# Altium PCB Mirny.PcbDoc (part 3 of 8) (continued)
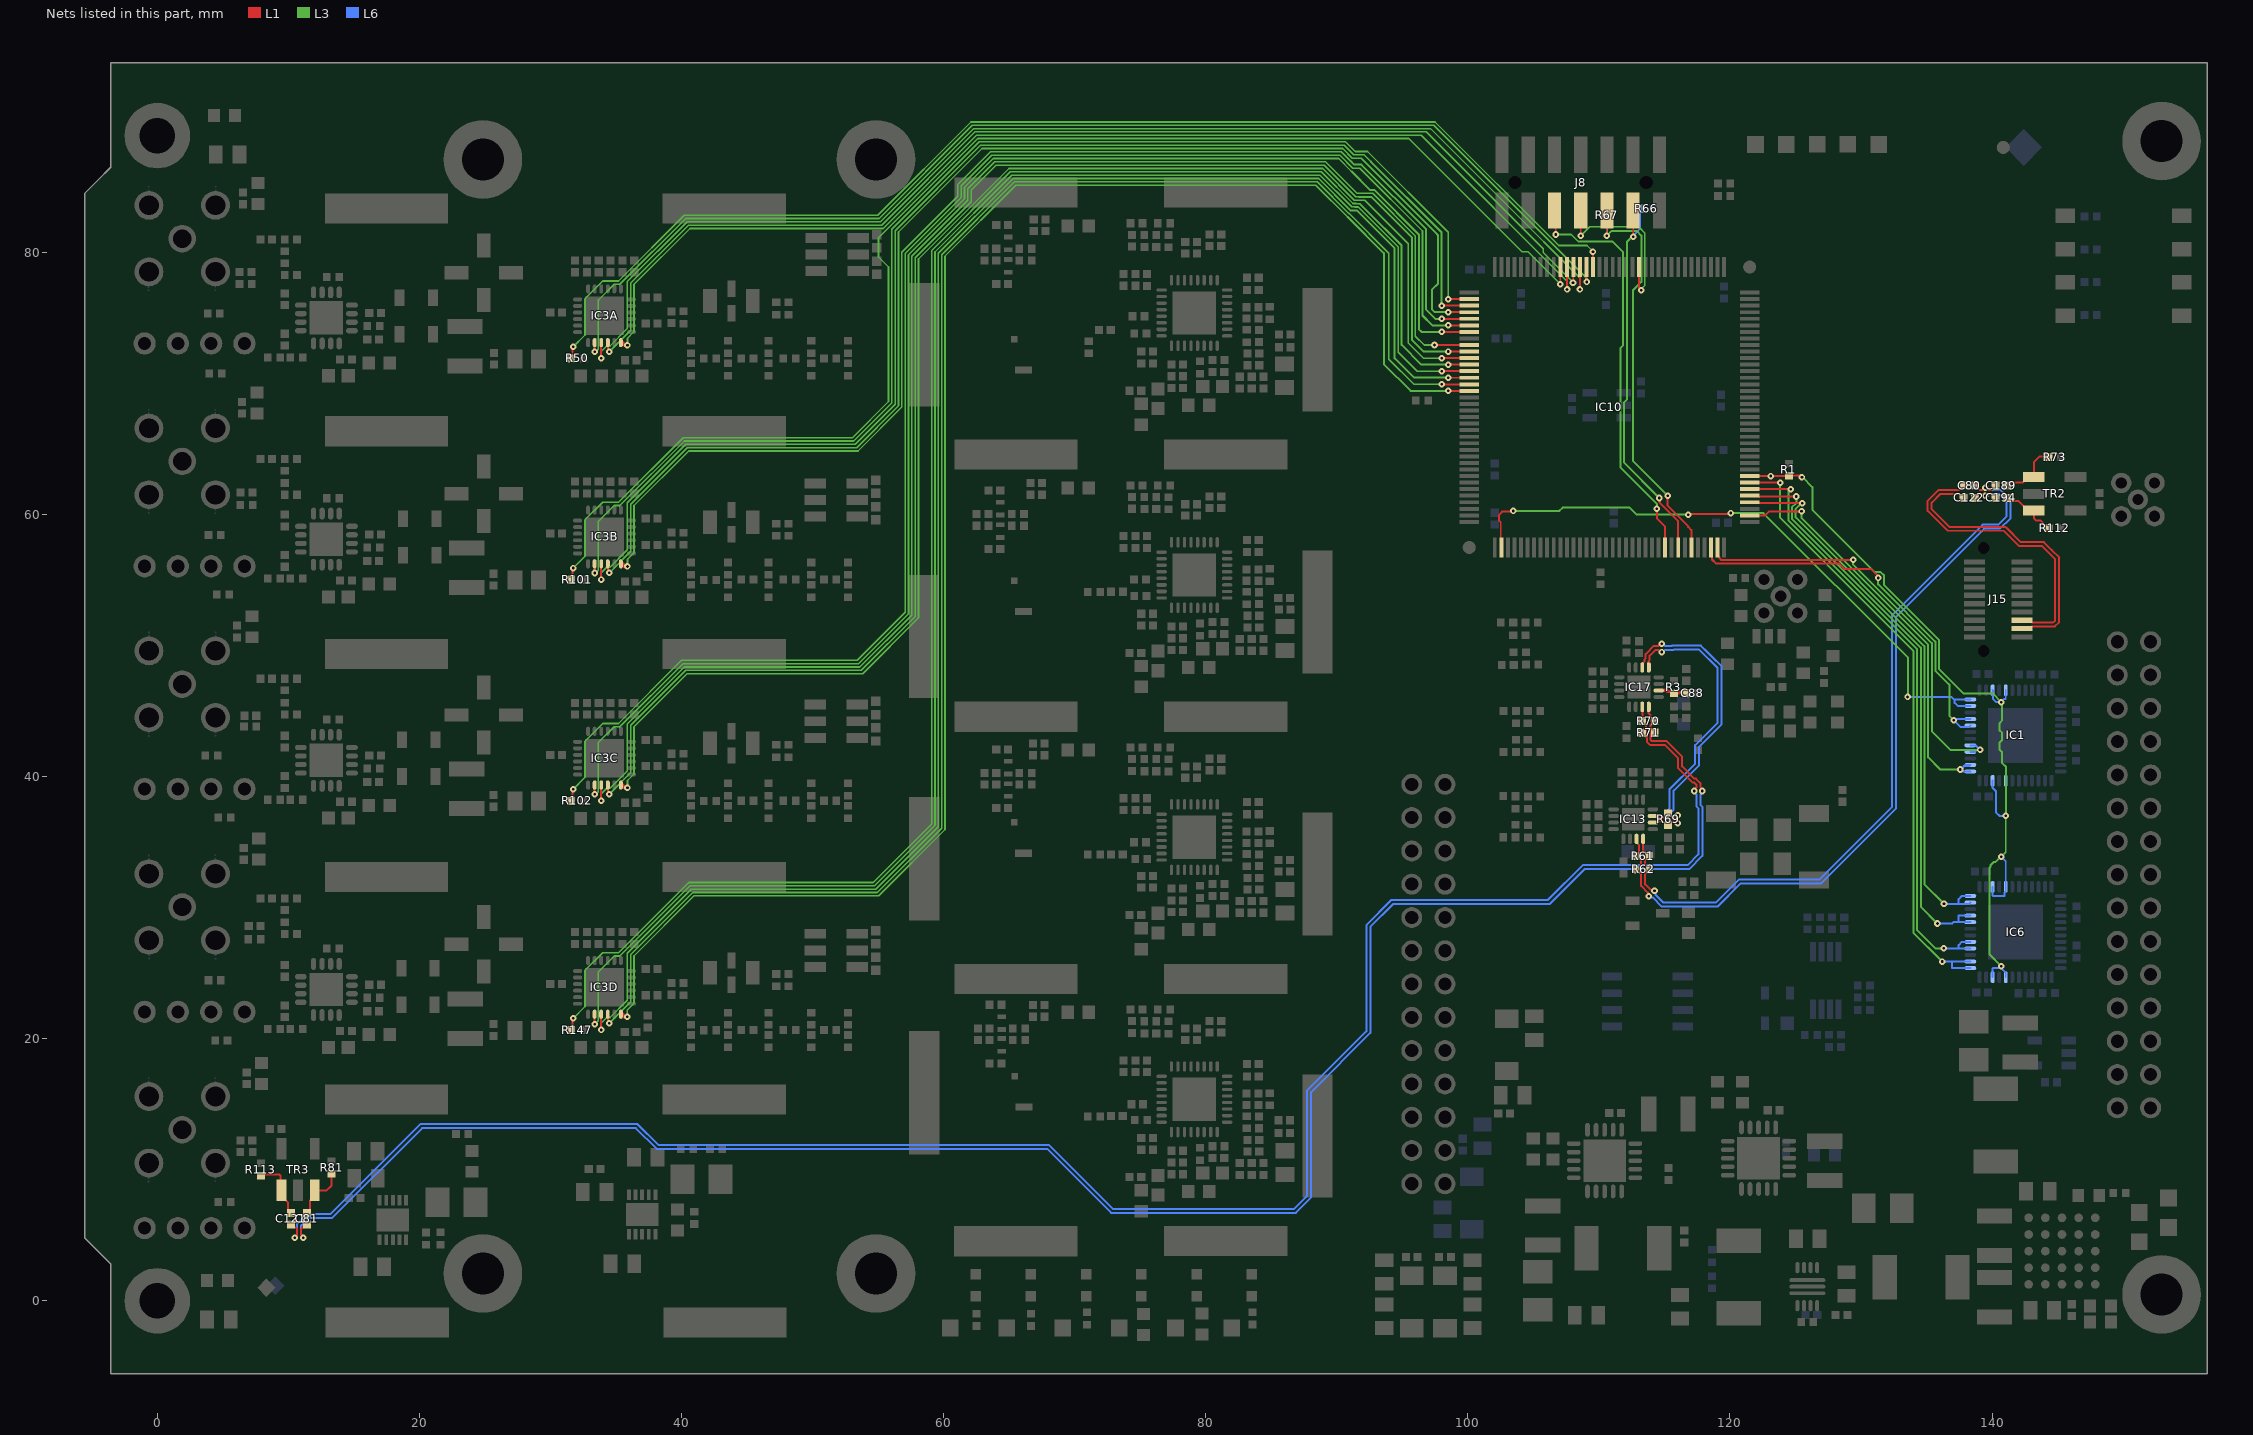
[diagram p7: the nets of this part, all layers, seen from the top]
## Part data (continued)
R134 R135: library part R0402_47K_1%_0.0625W_100PPM, "Resistor - 1%", Case=0402, Manufacturer=GENERIC, Manufacturer1 ComponentHeight=0.4mm, Manufacturer1 Example="YAGEO PHYCOMP", Manufacturer1 Part Number=RC0402FR-0747KL, Power=0.0625W, Tolerance=±1%, Author="CERN DEM JLC", Component Type=Standard, CreateDate=03.12.2007, HelpURL=\\cern.ch\dfs\Applications\Altium\Datasheets\R0402_Phycomp_RC0402.pdf, LatestRevisionDate=17.10.2012, Manufacturer Part Number=R0402_47K_1%_0.0625W_100PPM, Mounted=Yes, Part Description="General Purpose Thick Film Chip Resistor", Part Number=R0402_47K_1%_0.0625W_100PPM, Pin Count=2, PressFit=No, Sense=No, SMD=Yes, Socket=No, Status="Not Recommended", TC=±100ppm/°C
R136: library part R0402_5K6_1%_0.0625W_100PPM, "Resistor - 1%", Case=0402, Manufacturer=GENERIC, Manufacturer1 ComponentHeight=0.4mm, Manufacturer1 Example="YAGEO PHYCOMP", Manufacturer1 Part Number=232270675602L, Power=0.0625W, Tolerance=±1%, Author="CERN DEM JLC", Component Type=Standard, CreateDate=03.12.2007, HelpURL=\\cern.ch\dfs\Applications\Altium\Datasheets\R0402_Phycomp_RC0402.pdf, LatestRevisionDate=17.10.2012, Manufacturer Part Number=R0402_5K6_1%_0.0625W_100PPM, Mounted=Yes, Part Description="General Purpose Thick Film Chip Resistor", Part Number=R0402_5K6_1%_0.0625W_100PPM, Pin Count=2, PressFit=No, Sense=No, SMD=Yes, Socket=No, Status="Not Recommended", TC=±100ppm/°C
R139: library part R0603_2K2_1%_0.1W_100PPM, "Resistor - 1%", Case=0603, Manufacturer=GENERIC, Manufacturer1 ComponentHeight=0.55mm, Manufacturer1 Example="NIC COMPONENT", Manufacturer1 Part Number=NRC06F2201TRF, Power=0.1W, Tolerance=±1%, Author="CERN DEM JLC", Component Type=Standard, CreateDate=03.12.2007, HelpURL=\\cern.ch\dfs\Applications\Altium\Datasheets\R0603_NIC_NRC.pdf, LatestRevisionDate=13.03.2008, Manufacturer Part Number=R0603_2K2_1%_0.1W_100PPM, Mounted=Yes, Part Description="General Purpose Thick Film Chip Resistor", Part Number=R0603_2K2_1%_0.1W_100PPM, Pin Count=2, Sense=No, SMD=Yes, Socket=No, Status=Preferred, TC=±100ppm/°C
SW1: library part SW_OMRON_A6S-4102-H, "4 Ways SPST DIP Switch", Manufacturer=OMRON, Manufacturer Part Number=A6S-4102-H, Author="CERN DEM JMW", ComponentHeight=3.8mm, Component Type=Standard, CreateDate=25.09.2008, Family=Switch, HelpURL=\\cern.ch\dfs\Applications\Altium\Datasheets\SW_OMRON_A6S-4102-H.pdf, LatestRevisionDate=25.09.2008, Mounted=Yes, PackageDescription="Pitch 2.54mm, Body 11.3x6.4mm, 4 Ways SPST Surface-Mounting DIP Switch, OMRON A6S-H", Part Description="4 Ways SPST DIP Switch, White Flat Actuator with Seal Tape, Contact Rating 25mA 24VDC", Part Number=SW_OMRON_A6S-4102-H, Pin Count=8, PressFit=No, Sense=No, SMD=Yes, Socket=No, Status=None
T1: "P-CHANNEL MOSFET WITH DIODE", Case=SOT23-3, Manufacturer="ON SEMICONDUCTOR", Author="CERN DEM JLC", Bonding=No, ComponentHeight=1.1mm, Component Type=Standard, CreateDate=29.03.2012, Device=BSS84LT1G, HelpURL=\\cern.ch\dfs\Applications\Altium\Datasheets\BSS84LT1G.pdf, LatestRevisionDate=29.03.2012, Manufacturer Part Number=BSS84LT1G, Mounted=Yes, PackageDescription="SOT23 3-Leads, Pitch 0.95mm - Body 1.4x3mm, IPC Medium Density", Part Description="50V 130mA Single P-Channel Power MOSFET", Part Number=BSS84LT1G, Pin Count=3, PressFit=No, Sense=No, SMD=Yes, Socket=No
TP0 TP1 TP2 TP3 TP4 TP5 TP6 TP7 TP9 TP12 TP13 TP14 TP16 TP17 TP18: library part SMD_PAD_1.27X1.27MM, Author="CERN DEM JLC", ComponentHeight=0mm, Component Type="Standard (No BOM)", CreateDate=12.01.2008, Family="Test Point", HelpURL=Undefined, LatestRevisionDate=12.01.2008, Mounted=No, PackageDescription="1.27mm x 1.27mm PCB Copper Area (SMD Test Point)", Part Description="1.27mm x 1.27mm PCB Copper Area (SMD Test Point)", Part Number=SMD_PAD_1.27X1.27MM, Pin Count=1, Sense=No, SMD=Yes, Socket=No, Status=None
TR1A TR1B TR1C TR1D: library part XFMR_MINI-CIRCUITS_TCM2-43X+, "50 OHMS 10 to 4000 MHz RF Transformer", Manufacturer=MINI-CIRCUITS, Manufacturer Part Number=TCM2-43X+, Power=0.4W, Author="CERN DEM BC", ComponentHeight=4.06mm, Component Type=Standard, CreateDate=2016-02-12, HelpURL=\\cern.ch\dfs\Applications\Altium\Datasheets\XFMR_MINI-CIRCUITS_TCM2-43X+.pdf, LatestRevisionDate=2016-02-12, Mounted=Yes, Part Description="50 Ohms 10 to 4000MHz RF Transformer", Part Number=XFMR_MINI-CIRCUITS_TCM2-43X+, Pin Count=6, Sense=No, SMD=Yes, Socket=No, Status=None
TR2 TR3: library part XFMR_MINI-CIRCUITS_TC2-72T+, "50 Ohms 10 to 700 MHzz RF Transformer", Manufacturer=MINI-CIRCUITS, Manufacturer Part Number=TC2-72T+, Author=GK, Component Type=Standard, ComponentHeight=4.06mm, CreateDate=18.10.2019, HelpURL=\\cern.ch\dfs\Applications\Altium\Datasheets\XFMR_MINI-CIRCUITS_TC2-1TX+.pdf, LatestRevisionDate=18.10.2019, Mounted=Yes, Part Description="50 Ohms 10 to 700MHz RF Transformer", Part Number=XFMR_MINI-CIRCUITS_TC2-72T+, Pin Count=5, Sense=No, SMD=Yes, Socket=No, Status=None
WASHER2 WASHER4 WASHER6 WASHER8 WASHER10: library part Keystone_7687, "SMA_Shoulder Washer", Manufacturer=Homemade, Author=GK, Component Type=Mechanical, ComponentHeight=1.91mm, CreateDate=28.01.2016, HelpURL=\\cern.ch\dfs\Applications\Altium\Datasheets\AAVID-THERMALLOY_7721-7PPSG.pdf, LatestRevisionDate=28.01.2016, Manufacturer Part Number="3D printed washer", Mounted=Yes, PackageDescription="Polyphenylene Sulfide PPS Shoulder Washer", Part Description="Polyphenylene Sulfide PPS Shoulder Washer", Part Number="3D printed washer", Pin Count=0, PressFit=No, Sense=No, SMD=No, Socket=No, Status=None
NT1 NT2 NT3 NT4 NT5 NT6 NT7 NT8 NT9 NT10 NT11 NT12 NT13 NT14 NT15 NT16 NT17 NT18 NT19 NT20: Author="CERN DEM JLC", Component Type="Net Tie", ComponentHeight=0mm, CreateDate=22.03.2011, Family="Net Tie", HelpURL=Undefined, LatestRevisionDate=22.03.2011, Mounted=No, PackageDescription="2 Plated Through Hole For Coaxial Cable Link: Hole Dia.=1.4mm Pad Dia.=2.5mm", Part Description="Net Tie (2 Nets)", Part Number="Net Tie", Pin Count=2, Sense=No, SMD=No, Socket=No, Status=None

## Free pads (board coordinates)
  round 6 / inner round 5 / far side round 6 hole 3.2: 0(54.844,2.088) 1(54.844,87.088) 2(24.844,87.088) 3(24.844,2.088)
  round 6 hole 3.2: 0(152.944,0.488) 0(152.944,88.488)

## Via types
v1: diameter 0.5, hole 0.2, L1 to L6, tented both sides, 1370 vias
v2: diameter 0.6, hole 0.3, L1 to L6, tented both sides, 76 vias
v3: diameter 0.66, hole 0.33, L1 to L6, tented both sides, 36 vias

## Nets (pads, with @x,y where several pads share a name; then routed paths per layer and width w, separated by ;. In a path a pad name is that pad's centre, name@x,y a point inside that pad or via, vN(x,y) a via of type N, cw(c..) or ccw(c..) an arc to the next point about the centre after c; other vN are vias at no path point)
ATT_CLK_0: IC3A.21 IC10.131 | length 92.9
  L1 w0.152: v1(33.873,71.914) IC3A.21@33.873,73.114 ; v1(108.554,77.171) IC10.131@108.554,78.884
  L3 w0.127: v1(33.873,71.914) 33.873,72.44 34.295,72.862 34.54,72.862 35.867,74.189 35.867,77.772 40.43,82.334 55.18,82.334 62.292,89.446 97.156,89.446 105.813,80.789
  L3 w0.152: 105.813,80.789 108.554,78.048 v1(108.554,77.171)
ATT_CLK_1: IC3B.21 IC10.3 | length 99.7
  L1 w0.152: v1(33.873,55.035) IC3B.21@33.873,56.235 ; v1(98.001,75.934) IC10.3@100.104,75.934
  L3 w0.127: v1(33.873,55.035) 33.873,55.56 34.295,55.982 34.54,55.982 35.867,57.31 35.867,60.892 40.333,65.358 53.253,65.358 56.303,68.407 56.303,81.661 62.818,88.176 90.56,88.176 91.295,87.441 92.08,87.441 92.592,86.93
  L3 w0.152: 92.592,86.93 98.006,81.516 98.006,75.938 v1(98.001,75.934)
ATT_CLK_2: IC3C.21 IC10.9 | length 116.9
  L1 w0.152: v1(33.873,38.156) IC3C.21@33.873,39.356 ; v1(97.454,72.934) IC10.9@100.104,72.934
  L3 w0.127: v1(33.873,38.156) 33.873,38.681 34.295,39.103 34.54,39.103 35.867,40.431 35.867,44.013 40.212,48.358 53.609,48.358 57.573,52.322 57.573,79.701 61.849,83.977 61.849,84.864 63.891,86.906 89.142,86.906 91.542,84.506 92.744,84.506 95.995,81.256 95.995,73.609 96.67,72.934 v1(97.454,72.934)
ATT_CLK_3: IC3D.21 IC10.14 | length 133.6
  L1 w0.152: v1(33.871,20.668) IC3D.21@33.871,21.868 ; v1(98.509,70.434) IC10.14@100.104,70.434
  L3 w0.127: v1(33.871,20.668) 33.871,21.194 34.293,21.615 34.538,21.615 35.866,22.943 35.866,26.525 40.747,31.407 54.83,31.407 59.595,36.172 59.595,79.927 65.304,85.636 88.615,85.636 91.028,83.223 91.059,83.223
  L3 w0.152: 91.059,83.21 91.26,83.21 91.273,83.198 91.516,83.198 94.412,80.302 94.412,71.92 95.898,70.434 v1(98.509,70.434)
ATT_LE_0: IC3A.22 IC10.132 | length 89.5
  L1 w0.127: v1(108.022,77.684) 108.022,77.737 108.054,77.769 IC10.132@108.054,78.884
  L1 w0.152: IC3A.22@34.373,73.114 34.373,72.525 v1(34.477,72.421)
  L3 w0.127: v1(34.477,72.421) 36.121,74.065 36.121,77.666 40.535,82.08 55.285,82.08 62.397,89.192 96.836,89.192 105.747,80.281 105.747,79.988 108.022,77.713 v1(108.022,77.684)
ATT_LE_1: IC3B.22 IC10.4 | length 98.8
  L1 w0.152: IC3B.22@34.373,56.235 34.373,55.646 v1(34.477,55.541) ; v1(98.509,75.434) IC10.4@100.104,75.434
  L3 w0.127: v1(34.477,55.541) 36.121,57.186 36.121,60.787 40.438,65.104 53.359,65.104 56.557,68.302 56.557,81.556 62.923,87.922 90.455,87.922 91.19,87.187 91.854,87.187 97.664,81.378
  L3 w0.152: 97.664,81.378 97.726,81.315 97.726,77.624 97.273,77.171 97.273,75.637 97.476,75.434 v1(98.509,75.434)
ATT_LE_2: IC3C.22 IC10.10 | length 115.4
  L1 w0.152: IC3C.22@34.373,39.356 34.373,38.767 v1(34.477,38.662) ; v1(98.509,72.434) IC10.10@100.104,72.434
  L3 w0.127: v1(34.477,38.662) 36.121,40.307 36.121,43.908 40.317,48.104 53.714,48.104 57.827,52.217 57.827,79.596 62.103,83.872 62.103,84.759 63.996,86.652 89.036,86.652 91.449,84.239 91.704,84.239
  L3 w0.152: 91.704,84.239 92.634,84.239 95.728,81.145 95.728,73.336 96.63,72.434 v1(98.509,72.434)
ATT_LE_3: IC3D.22 IC10.15 | length 131.8
  L1 w0.152: IC3D.22@34.371,21.868 34.371,21.279 v1(34.475,21.175) ; v1(98.001,69.934) IC10.15@100.104,69.934
  L3 w0.127: v1(34.475,21.175) 36.12,22.819 36.12,26.42 40.852,31.153 54.935,31.153 59.849,36.067 59.849,79.822 65.409,85.382 88.51,85.382 90.923,82.969 90.941,82.969 93.968,79.943 93.968,71.857 95.89,69.934 v1(98.001,69.934)
ATT_RSTN_0: IC3A.20 IC10.130 | length 92.1
  L1 w0.127: IC10.130@109.054,78.884 109.054,77.769 v1(109.081,77.743)
  L1 w0.152: v1(33.373,72.414) IC3A.20@33.373,73.114
  L3 w0.127: v1@33.373,72.34 33.644,72.612 33.644,76.367 33.667,76.367 34.86,77.56 35.297,77.56 40.325,82.588 55.075,82.588 62.187,89.7 97.394,89.7 109.081,78.014 v1(109.081,77.743)
  L3 w0.152: v1@33.373,72.34 v1@33.373,72.352
ATT_RSTN_1: IC3B.20 IC10.2 | length 99
  L1 w0.152: v1(33.373,55.535) IC3B.20@33.373,56.235 ; v1(98.509,76.434) IC10.2@100.104,76.434
  L3 w0.127: v1@33.373,55.46 33.644,55.732 33.644,59.487 33.667,59.487 34.86,60.681 35.297,60.681 40.228,65.612 53.148,65.612 56.049,68.512 56.049,81.766 62.713,88.43 90.666,88.43 91.4,87.695 92.347,87.695 98.509,81.533 v1(98.509,76.434)
ATT_RSTN_2: IC3C.20 IC10.7 | length 116
  L1 w0.152: v1(33.373,38.656) IC3C.20@33.373,39.356 ; v1(98.001,73.934) IC10.7@100.104,73.934
  L3 w0.127: v1@33.373,38.581 33.644,38.853 33.644,42.608 33.667,42.608 34.86,43.802 35.297,43.802 40.107,48.612 53.503,48.612 57.319,52.427 57.319,79.807 61.595,84.082 61.595,84.969 63.786,87.16 90.139,87.16 91.123,86.176
  L3 w0.152: v1@33.373,38.581 v1@33.373,38.593 ; 91.123,86.176 92.527,84.772 92.855,84.772 96.261,81.366 96.261,74.134 96.461,73.934 v1(98.001,73.934)
ATT_RSTN_3: IC3D.20 IC10.13 | length 133.1
  L1 w0.152: v1(33.371,21.093) 33.371,21.167 IC3D.20@33.371,21.868 ; v1(98.001,70.934) IC10.13@100.104,70.934
  L3 w0.127: v1(33.371,21.093) 33.643,21.365 33.643,25.121 33.665,25.121 34.859,26.314 35.295,26.314 40.642,31.661 54.725,31.661 59.341,36.277 59.341,80.032 65.198,85.89 88.721,85.89 91.134,83.477 91.371,83.477 91.383,83.464 91.627,83.464 94.679,80.412 94.679,72.383 96.128,70.934 v1(98.001,70.934)
ATT_S_IN_0: IC3A.24 IC10.133 | length 88.1
  L1 w0.152: IC10.133@107.554,78.884 107.569,78.869 v1(107.569,77.171)
  L1 w0.3: IC3A.24@35.373,73.114 35.423,73.164 35.673,72.914 v1(35.873,72.914)
  L3 w0.127: v1(35.873,72.914) 35.873,73.457 36.375,73.96 36.375,77.561 40.64,81.826 55.39,81.826 62.502,88.938 96.438,88.938 107.569,77.807 107.569,77.469
ATT_S_IN_1: IC3B.24 IC10.5 | length 96.7
  L1 w0.152: v1(98.001,74.934) IC10.5@100.104,74.934
  L1 w0.3: IC3B.24@35.373,56.235 35.423,56.285 35.673,56.034 v1(35.873,56.034)
  L3 w0.127: v1(35.873,56.034) 35.873,56.578 36.375,57.08 36.375,60.682 40.543,64.85 53.464,64.85 56.811,68.197 56.811,80.017 61.087,84.293 61.087,85.179 63.575,87.668 90.35,87.668 91.097,86.921
  L3 w0.152: 91.106,86.93 91.339,86.697 91.874,86.697 96.82,81.751 96.82,75.637 97.523,74.934 v1(98.001,74.934)
ATT_S_IN_2: IC3C.24 IC10.11 | length 113.3
  L1 w0.152: v1(98.001,71.934) IC10.11@100.104,71.934
  L1 w0.3: IC3C.24@35.373,39.356 35.423,39.406 35.673,39.155 v1(35.873,39.155)
  L3 w0.127: v1(35.873,39.155) 35.873,39.699 36.375,40.201 36.375,43.803 40.422,47.85 53.819,47.85 58.081,52.111 58.081,79.491 64.988,86.398 88.931,86.398 91.344,83.985 91.581,83.985 91.594,83.972 92.139,83.972 95.461,80.65 95.461,73.081 96.608,71.934 v1(98.001,71.934)
ATT_S_IN_3: IC3D.24 IC10.16 | length 130.7
  L1 w0.152: v1(98.509,69.434) IC10.16@100.104,69.434
  L1 w0.3: IC3D.24@35.371,21.868 35.421,21.918 35.671,21.668 v1(35.871,21.668)
  L3 w0.127: v1(35.871,21.668) 35.871,22.211 36.374,22.714 36.374,26.315 40.957,30.899 55.04,30.899 60.103,35.962 60.103,79.717 65.514,85.128 88.405,85.128 90.818,82.715
  L3 w0.152: 90.818,82.715 93.587,79.947 93.587,71.476 95.628,69.434 v1(98.509,69.434)
ATT_S_OUT_0: IC10.129 R50.1 | length 92.6
  L1 w0.152: R50.1@31.691,72.056 31.691,72.755 v1(31.729,72.793) ; v1(109.545,80.049) 109.55,80.045 109.55,78.888 IC10.129@109.554,78.884
  L3 w0.127: v1(31.729,72.793) 32.632,73.696 32.632,76.467 33.98,77.814 35.192,77.814 40.219,82.842 54.969,82.842 62.081,89.954 97.499,89.954 106.93,80.523 109.087,80.523 109.545,80.065 v1(109.545,80.049)
ATT_S_OUT_1: IC10.134 R101.1 | length 105.6
  L1 w0.127: v1(107.052,77.582) 107.054,77.585 IC10.134@107.054,78.884
  L1 w0.152: R101.1@31.691,55.177 31.691,55.875 v1(31.729,55.913)
  L3 w0.127: v1(31.729,55.913) 32.632,56.817 32.632,59.587 33.98,60.935 35.192,60.935 40.123,65.866 53.043,65.866 55.795,68.618 55.795,78.887 55.031,79.651 55.031,81.107 62.608,88.684 95.489,88.684 104.135,80.038 104.596,80.038 v1(107.052,77.582)
ATT_S_OUT_2: IC10.6 R102.1 | length 116.5
  L1 w0.152: R102.1@31.691,38.298 31.691,38.996 v1(31.729,39.034) ; v1(98.509,74.434) IC10.6@100.104,74.434
  L3 w0.127: v1(31.729,39.034) 32.632,39.938 32.632,42.708 33.98,44.056 35.192,44.056 40.002,48.866 53.398,48.866 57.065,52.532 57.065,79.912 61.341,84.188 61.341,85.074 63.68,87.414 90.245,87.414 91.228,86.43 91.746,86.43 96.541,81.636
  L3 w0.152: 96.541,81.636 96.541,75.184 97.291,74.434 v1(98.509,74.434)
ATT_S_OUT_3: IC10.12 R147.1 | length 133.7
  L1 w0.152: R147.1@31.689,20.81 31.689,21.508 v1(31.727,21.547) ; v1(98.509,71.434) IC10.12@100.104,71.434
  L3 w0.127: v1(31.727,21.547) 32.631,22.45 32.631,25.221 33.978,26.568 35.19,26.568 40.54,31.918 54.623,31.918 59.087,36.382 59.087,80.138 65.093,86.144 88.826,86.144 91.239,83.731 91.476,83.731 91.489,83.718 91.75,83.718 92.258,83.21
  L3 w0.152: 92.258,83.21 94.945,80.523 94.945,72.935 96.447,71.434 v1(98.509,71.434)
CFG_TCK: IC10.67 J8.6 R67.1 | length 31.9
  L1 w0.127: v1(110.601,81.267) 110.601,83.189 J8.6@110.611,83.199
  L1 w0.152: v1(115.24,61.443) 115.24,60.682 116.812,59.111 116.812,59.055 117.054,58.813 IC10.67@117.054,57.484
  L3 w0.152: v1(110.601,81.267) 110.611,81.267 110.98,81.636 112.891,81.636 113.241,81.285 113.241,77.743 112.59,77.092 112.59,64.093 v1(115.24,61.443)
  L6 w0.127: v1(110.601,81.267) 110.601,82.344 R67.1@110.611,82.354
CFG_TDI: IC10.63 J8.10 | length 31.6
  L1 w0.127: J8.10@106.611,83.199 106.71,83.1 v1(106.71,81.366)
  L1 w0.152: v1(114.415,60.435) 114.415,59.703 115.054,59.063 IC10.63@115.054,57.484
  L3 w0.127: v1(106.71,81.366) 107.889,81.366 108.429,80.826 111.052,80.826
  L3 w0.152: 111.052,80.826 111.857,80.021 111.857,72.91 111.642,72.695 111.642,63.587 114.415,60.815 v1(114.415,60.435)
CFG_TDO: IC10.122 J8.8 | length 13.7
  L1 w0.127: v1(108.611,81.267) J8.8@108.611,83.199
  L1 w0.152: IC10.122@113.054,78.884 113.054,77.289 v1(113.241,77.102)
  L3 w0.127: v1(108.611,81.267) 109.306,81.961 113.031,81.961 113.508,81.485 113.508,77.469 113.241,77.203 v1(113.241,77.102)
CFG_TMS: IC10.65 J8.4 R66.1 | length 30.1
  L1 w0.127: v1(112.611,81.182) J8.4@112.611,83.199
  L1 w0.152: v1(114.611,61.26) 114.611,60.917 115.907,59.621 ; 115.907,59.621 116.054,59.474 IC10.65@116.054,57.484
  L3 w0.152: v1(112.611,81.182) 112.527,81.182 112.137,80.792 112.137,68.764 111.922,68.549 111.922,63.949 v1(114.611,61.26)
  L6 w0.127: v1(112.611,81.182) 112.611,81.267 113.141,81.797 R66.1@113.141,83.324
CK_MMCX_IN_N: C194.1 R112.2 TR2.1 | length 4.5
  L1 w0.152: C194.1@141.154,61.26 141.388,61.026 142.021,61.026 142.741,60.305 TR2.1@143.186,60.305 143.186,59.728 143.381,59.534 143.706,59.534 R112.2@144.306,58.934
CK_MMCX_IN_P: C189.1 R73.2 TR2.3 | length 4.8
  L1 w0.152: C189.1@141.154,62.205 141.388,62.439 142.335,62.439 142.741,62.845 TR2.3@143.186,62.845 143.186,63.989 143.625,64.427 R73.2@144.387,64.427
CK_MMCX_N: C122.1 C194.2 IC13.4 R61.1 R62.1 | length 58.1
  L1 w0.152: IC13.4@113.372,35.244 113.347,35.218 113.347,34.416 113.812,33.951 R61.1@113.812,33.931 113.812,33.911 113.525,33.623 113.525,33.242 113.614,33.153 113.628,33.153 113.842,32.939 R62.1@113.842,32.919 113.842,32.899 113.531,32.588 113.531,31.782 113.948,31.365 114.176,31.365 v1(114.243,31.299) ; C122.1@138.711,61.26 139.031,61.58 139.25,61.58 139.411,61.419 v1(139.497,61.419) 139.554,61.419 139.715,61.58 139.976,61.58 139.976,61.538 C194.2@140.254,61.26
  L6 w0.152: v1(114.243,31.299) 114.309,31.232 114.309,31.004 114.928,30.386 118.925,30.386 120.674,32.135 126.816,32.135 132.382,37.7 132.382,52.327 139.274,59.22 140.476,59.22 141.11,59.854 141.11,60.975 140.505,61.58 139.752,61.58 139.591,61.419 v1(139.497,61.419)
CK_MMCX_P: C80.1 C189.2 IC13.3 R61.2 R62.2 | length 59.6
  L1 w0.152: IC13.3@112.872,35.244 112.872,34.954 113.042,34.784 113.042,34.1 R61.2@112.872,33.931 112.872,33.911 113.086,33.697 113.101,33.697 113.22,33.578 113.22,33.242 113.131,33.153 113.116,33.153 112.902,32.939 R62.2@112.902,32.919 112.902,32.899 113.225,32.576 113.227,32.576 113.227,31.656 113.733,31.15 113.733,30.922 v1(113.799,30.855) ; C80.1@138.711,62.205 139.031,61.885 139.25,61.885 139.411,62.046 v1(139.497,62.046) 139.554,62.046 139.715,61.885 139.976,61.885 139.976,61.927 C189.2@140.254,62.205
  L6 w0.152: v1(113.799,30.855) 113.866,30.789 114.094,30.789 114.801,30.081 119.051,30.081 120.8,31.83 126.943,31.83 132.686,37.574 132.686,52.201 139.401,58.915 140.602,58.915 141.415,59.728 141.415,61.101 140.631,61.885 139.752,61.885 139.591,62.046 v1(139.497,62.046)
CK_OSC: C88.2 IC17.6 R3.2 | length 2.1
  L1 w0.265: IC17.6@114.559,46.575 115.171,46.575 115.221,46.525 115.553,46.525 R3.2@115.685,46.393 ; R3.2@115.726,46.355 115.764,46.393 C88.2@116.574,46.393
CK_SMA_IN_N: C81.1 R81.2 TR3.1 | length 4.3
  L1 w0.152: C81.1@11.418,6.711 11.651,6.945 11.651,7.619 12.014,7.982 TR3.1@12.014,8.427 12.924,8.427 13.296,8.8 R81.2@13.296,9.692
CK_SMA_IN_P: C121.1 R113.2 TR3.3 | length 4.8
  L1 w0.152: R113.2@7.899,9.547 8.004,9.652 9.307,9.652 9.396,9.563 9.396,8.506 TR3.3@9.474,8.427 9.474,7.982 9.977,7.48 9.977,6.945 C121.1@10.211,6.711
CK_SMA_N: C81.2 IC17.4 R70.1 R71.1 | length 150.9
  L1 w0.152: v1(11.128,4.801) 11.128,4.895 10.967,5.056 10.967,5.489 11.056,5.579 11.185,5.579 C81.2@11.418,5.811 C81.2@11.419,5.809 ; IC17.4@113.809,45.325 113.792,45.308 113.792,44.828 113.937,44.683 113.937,44.31 114.026,44.221 114.041,44.221 R70.1@114.139,44.123 ; R70.1@114.063,44.007 114.255,44.007 R70.1@114.139,44.123 ; R71.1@114.249,43.345 114.249,43.325 114.036,43.111 114.021,43.111 113.937,43.027 ; R70.1@114.249,44.234 R70.1@114.139,44.123 ; v1(117.899,38.9) 117.899,38.994 117.738,39.155 117.738,39.505 117.402,39.84 117.284,39.84 116.345,40.779 116.345,41.528 116.091,41.783 115.176,42.697 114.041,42.697 113.932,42.806 113.932,43.022 113.937,43.027 ; 113.937,43.027 113.937,43.911 114.026,44 114.036,44 114.139,44.103 R70.1@114.139,44.123
  L6 w0.152: v1(11.128,4.801) 11.128,4.895 10.967,5.056 10.967,5.747 11.544,6.325 13.348,6.325 20.206,13.183 36.513,13.183 38.101,11.595 67.904,11.595 72.789,6.71 86.87,6.71 88.049,7.888 88.049,15.93 92.558,20.439 92.558,28.54 94.297,30.278 106.237,30.278 108.903,32.944 116.89,32.944 117.894,33.948 117.894,37.694 117.738,37.85 117.738,38.645 117.899,38.806 v1(117.899,38.9)
CK_SMA_P: C121.2 IC17.3 R70.2 R71.2 | length 150.2
  L1 w0.152: C121.2@10.211,5.811 10.443,5.579 10.573,5.579 10.662,5.489 10.662,5.056 10.501,4.895 v1(10.501,4.801) ; IC17.3@113.309,45.325 113.315,45.319 R70.2@113.315,44.159 ; R71.2@113.31,43.345 113.31,43.325 113.523,43.111 113.538,43.111 113.627,43.022 ; R70.2@113.31,44.234 113.31,44.214 113.588,43.936 R71.2@113.588,43.111 ; 113.653,43.022 113.653,42.655 113.915,42.393 115.05,42.393 116.04,41.402 116.04,40.653 117.158,39.536 117.276,39.536 117.433,39.379 117.433,39.155 117.272,38.994 v1(117.272,38.9)
  L6 w0.152: v1(10.501,4.801) 10.501,4.895 10.662,5.056 10.662,5.873 11.418,6.629 13.222,6.629 20.08,13.487 36.64,13.487 38.227,11.9 68.03,11.9 72.916,7.014 86.744,7.014 87.745,8.015 87.745,16.056 92.253,20.565 92.253,28.666 94.17,30.583 106.111,30.583 108.776,33.249 116.764,33.249 117.59,34.074 117.59,37.568 117.433,37.724 117.433,38.645 117.272,38.806 v1(117.272,38.9)
CLKM_N: IC13.7 IC17.10 R69.1 | length 24
  L1 w0.152: IC17.10@113.309,48.325 113.309,48.615 113.489,48.796 113.489,48.946 113.572,49.029 113.572,49.347 114.195,49.97 114.54,49.97 114.701,50.131 v1(114.796,50.131) ; IC13.7@114.122,36.994 114.412,36.994 114.51,36.896 114.957,36.896 115.046,36.985 115.046,37 115.26,37.214 R69.1@115.28,37.214 115.3,37.214 115.514,37 115.514,36.906 115.523,36.896 115.747,36.896 115.908,37.057 v1(116.002,37.057)
  L6 w0.152: v1(114.796,50.131) 114.89,50.131 115.051,49.97 115.559,49.97 115.589,50 117.779,50 118.313,49.466 118.631,49.149 119.368,48.412 119.368,43.993 117.64,42.266 117.64,40.856 115.71,38.926 115.71,37.471 115.434,37.195 115.434,36.985 115.523,36.896 115.747,36.896 115.908,37.057 v1(116.002,37.057)
CLKM_P: IC13.6 IC17.9 R69.2 | length 23.5
  L1 w0.152: IC17.9@113.809,48.325 113.794,48.339 113.794,48.82 113.877,48.902 113.877,49.221 114.322,49.666 114.54,49.666 114.701,49.505 v1(114.796,49.505) ; IC13.6@114.122,36.494 114.412,36.494 114.51,36.591 114.957,36.591 115.046,36.502 115.046,36.488 115.26,36.274 R69.2@115.28,36.274 115.3,36.274 115.514,36.488 115.514,36.582 115.523,36.591 115.747,36.591 115.908,36.43 v1(116.002,36.43)
  L6 w0.152: v1(114.796,49.505) 114.89,49.505 115.051,49.666 115.686,49.666 115.715,49.695 117.653,49.695 119.063,48.285 119.063,44.119 117.336,42.392 117.336,40.982 115.405,39.052 115.405,37.597 115.129,37.321 115.129,36.859 115.397,36.591 115.747,36.591 115.908,36.43 v1(116.002,36.43)
CPCIS_CLK_N: C122.2 J15.17 | length 22.6
  L1 w0.152: C122.2@137.811,61.26 137.491,61.58 137.146,61.58 136.064,61.58 135.39,60.907 135.39,60.406 135.783,60.014 136.733,59.063 141.017,59.063 141.141,58.94 142.188,57.893 143.95,57.893 144.571,57.273 145.118,56.725 145.118,51.781 144.794,51.456 143.034,51.456 142.869,51.291 J15.17@142.269,51.291
CPCIS_CLK_P: C80.2 J15.15 | length 22.6
  L1 w0.152: C80.2@137.811,62.205 137.491,61.885 137.272,61.885 135.938,61.885 135.085,61.033 135.085,60.28 135.46,59.906 136.607,58.759 140.891,58.759 142.061,57.589 143.824,57.589 144.248,57.165 144.813,56.599 144.813,51.907 144.667,51.761 143.034,51.761 142.869,51.926 J15.15@142.269,51.926
EEM0_0: IC1.35 IC1.36 IC10.38 | length 48.3
  L1 w0.152: IC10.38@102.554,57.484 102.51,57.527 102.51,59.422 102.359,59.574 102.359,59.949 102.624,60.214 103.407,60.214 v1(103.46,60.268) ; v1(116.828,59.982) 116.891,60.046 120.003,60.046 v1(120.066,60.109)
  L3 w0.152: v1(103.46,60.268) 106.975,60.268 107.228,60.522 112.351,60.522 112.891,59.982 v1(116.828,59.982) ; v1(120.066,60.109) 122.543,60.109 133.592,49.06 133.592,46.118 v1(133.549,46.076)
  L6 w0.152: v1(133.549,46.076) 136.894,46.076 137.084,45.885 137.087,45.888 IC1.36@138.344,45.888 ; 137.148,45.885 137.148,45.631 137.39,45.388 IC1.35@138.344,45.388
EEM0_1: IC1.32 IC1.33 IC10.70 | length 30.4
  L1 w0.152: IC10.70@118.554,57.484 118.628,57.41 118.628,56.565 118.942,56.251 128.321,56.251 128.718,55.855 130.734,55.855 ; 130.737,55.857 131.306,55.289 v1(131.306,55.156)
  L3 w0.152: v1(131.306,55.156) 131.306,54.669 135.679,50.296 135.679,48.077 136.746,47.009 136.746,44.629 v1(137.084,44.291)
  L6 w0.152: IC1.32@138.344,43.888 138.247,43.791 137.584,43.791 v1(137.084,44.291) 137.181,44.388 IC1.33@138.344,44.388
EEM0_2: IC1.28 IC1.29 IC10.71 | length 32.8
  L1 w0.152: IC10.71@119.054,57.484 119.054,56.884 119.201,56.737 119.201,56.649 119.32,56.53 129.378,56.53 v1(129.401,56.553) v1@129.401,56.409
  L3 w0.152: v1(129.401,56.553) 129.401,56.179 135.4,50.18 135.4,43.456 136.815,42.041 v1(139.084,42.041)
  L6 w0.152: IC1.28@138.344,41.888 138.681,41.888 138.834,42.041 v1(139.084,42.041) 138.737,42.388 IC1.29@138.344,42.388
EEM0_3: IC1.25 IC1.26 IC10.74 | length 32
  L1 w0.152: IC10.74@121.504,59.934 122.556,59.934 122.689,59.934 122.992,60.236 v1(125.464,60.236)
  L3 w0.152: v1(125.464,60.236) 125.464,59.721 135.12,50.064 135.12,41.471 136.05,40.541 v1(137.584,40.541)
  L6 w0.152: 137.834,40.791 137.889,40.791 ; IC1.25@138.344,40.388 137.682,40.388 137.584,40.486 137.889,40.791 ; 137.889,40.791 137.986,40.888 IC1.26@138.344,40.888 138.247,40.791 137.889,40.791
EEM0_4: IC6.35 IC6.36 IC10.76 | length 43
  L1 w0.152: IC10.76@121.541,60.896 IC10.76@121.504,60.934 121.567,60.871 v1(125.527,60.871)
  L3 w0.152: v1(125.527,60.871) 125.458,60.871 125.01,60.424 125.01,59.779 134.841,49.949 134.841,31.784 v1(136.334,30.291)
  L6 w0.152: v1(136.334,30.291) 137.444,30.291 ; IC6.35@138.344,30.388 138.247,30.291 137.444,30.291 ; IC6.36@138.344,30.888 137.682,30.888 137.444,30.651 137.444,30.291
EEM0_5: IC6.32 IC6.33 IC10.77 | length 44.9
  L1 w0.152: IC10.77@121.504,61.434 121.781,61.434 121.841,61.373 v1(125.062,61.373)
  L3 w0.152: v1(125.062,61.373) 125.062,60.871 124.731,60.539 124.731,59.663 134.561,49.833 134.561,30.064 v1(135.834,28.791)
  L6 w0.152: v1(135.834,28.791) 136.944,28.791 137.041,28.888 137.444,28.888 ; IC6.32@138.344,28.888 137.444,28.888 ; IC6.33@138.344,29.388 137.444,29.388 137.444,28.888
EEM0_6: IC6.28 IC6.29 IC10.78 | length 46.8
  L1 w0.152: IC10.78@121.504,61.934 122.302,61.934 v1(124.633,61.934)
  L3 w0.152: v1(124.633,61.934) 124.452,61.752 124.452,59.548 134.282,49.717 134.282,28.277 135.671,26.888 v1(136.325,26.888)
  L6 w0.152: v1(136.325,26.888) 137.444,26.888 ; IC6.28@138.344,26.888 137.444,26.888 ; IC6.29@138.344,27.388 137.694,27.388 137.444,27.138 137.444,26.888
EEM0_7: IC6.25 IC6.26 IC10.79 | length 48
  L1 w0.152: IC10.79@121.504,62.434 122.556,62.434 v1(123.837,62.434)
  L3 w0.152: v1(123.837,62.434) 123.837,59.767 134.003,49.601 134.003,28.075 v1(136.189,25.888)
  L6 w0.152: v1(136.189,25.888) 136.944,25.888 ; IC6.25@138.344,25.388 136.944,25.388 136.944,25.888 ; IC6.26@138.344,25.888 136.944,25.888
FSEN: IC1.20 IC1.22 IC1.39 IC1.41 IC6.20 IC6.22 IC6.39 IC6.41 IC10.80 R1.1 | length 66.3
  L1 w0.152: IC10.80@121.504,62.934 v1(123.099,62.934) 124.492,62.934 R1.1@124.504,62.945 124.515,62.934 124.548,62.967 125.404,62.967 125.404,62.92 v1(125.493,62.831)
  L3 w0.152: v1(125.493,62.831) 125.55,62.831 126.296,62.085 126.296,60.354 131.041,55.609 131.493,55.609 131.759,55.344 131.759,54.968 131.758,54.611 135.958,50.411 135.958,48.192 137.804,46.346 140.041,46.346 v1(140.704,45.683) 140.772,45.615 140.772,44.292 140.566,44.086 140.566,43.542 140.772,43.336 140.772,42.792 140.566,42.586 140.566,42.042 140.772,41.836 140.772,41.029 141.062,40.739 141.062,37.019 v1(141.044,37.001) 141.044,34.238 v1(140.694,33.888) 140.679,33.904 140.269,33.494 140.146,33.494 139.881,33.229 139.881,33.106 139.805,33.03 139.805,26.43 v1(140.694,25.54)
  L6 w0.152: IC6.22@140.044,24.688 140.044,25.351 140.082,25.388 140.694,25.388 141.044,25.038 IC6.20@141.044,24.688 ; IC6.39@140.044,31.588 140.044,30.926 140.082,30.888 140.944,30.888 140.944,31.138 141.044,31.238 IC6.41@141.044,31.588 141.044,33.538 v1(140.694,33.888) ; IC1.22@140.044,39.688 140.044,39.131 140.312,38.863 140.312,37.257 140.568,37.001 v1(141.044,37.001) IC1.20@141.044,39.688 ; IC1.39@140.044,46.588 140.069,46.564 140.069,45.937 140.323,45.683 v1(140.704,45.683) 140.947,45.926 141.044,45.926 IC1.41@141.044,46.588